# Altium PCB Bran_Main_Assay_PCB_v2.PcbDoc (part 2 of 15) (continued)
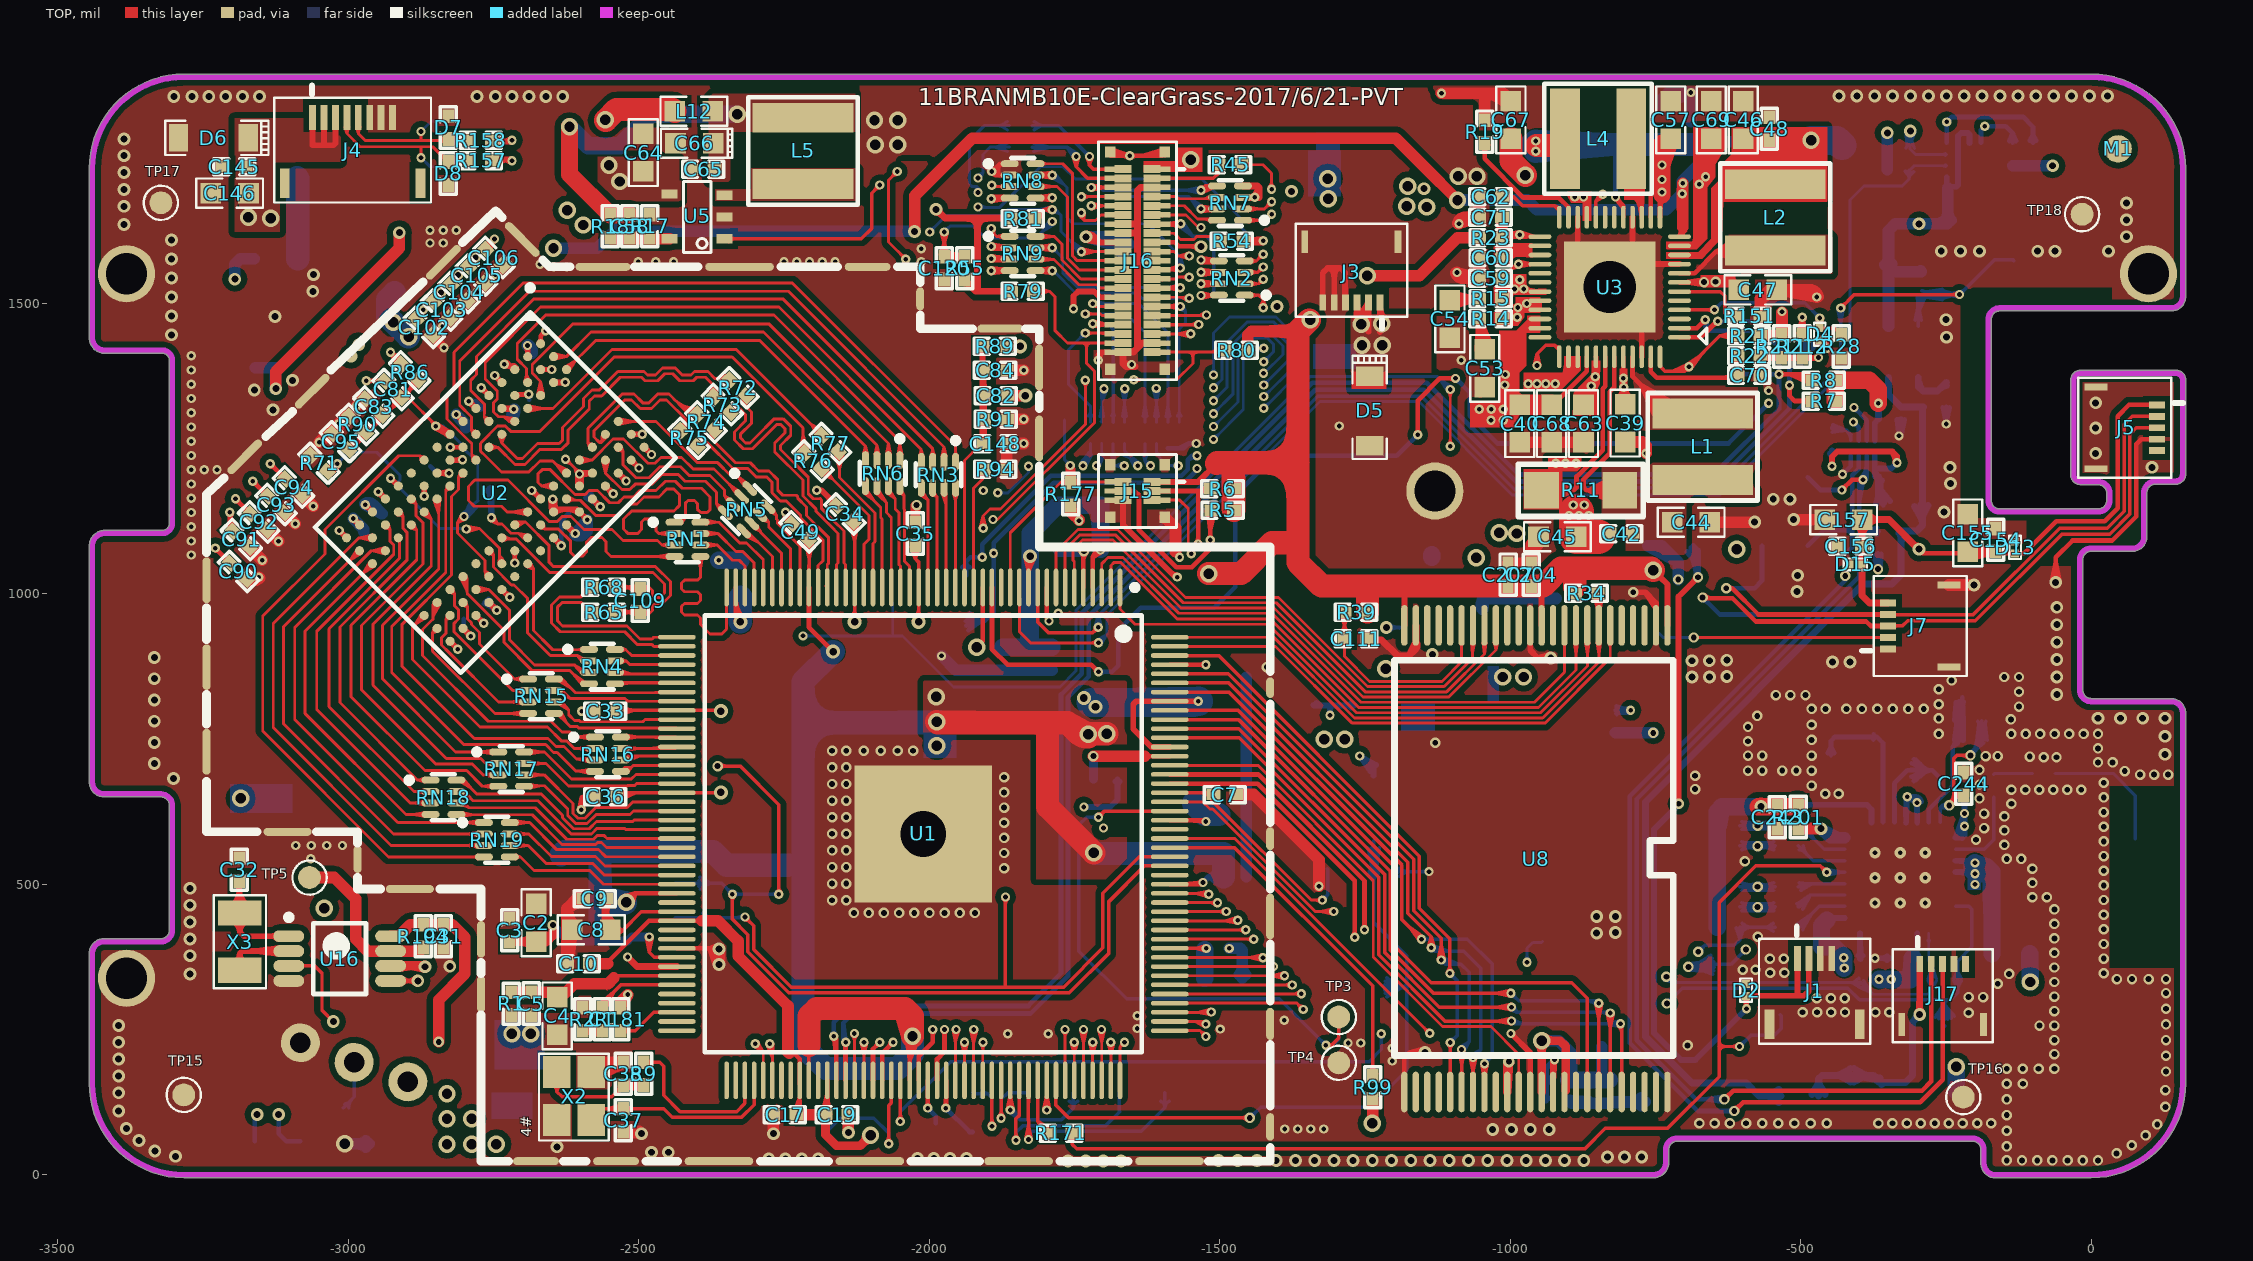
[diagram p0: TOP view]
## Nets (pads, with @x,y where several pads share a name; then routed paths per layer and width w, separated by ;. In a path a pad name is that pad's centre, name@x,y a point inside that pad or via, vN(x,y) a via of type N, cw(c..) or ccw(c..) an arc to the next point about the centre after c; other vN are vias at no path point) (continued)
BUTTON: D2.1 J1.1 J1.2 R22.2 R211.1 R212.1 TP31.1 | length 2605.7
  TOP w10: v2@-713.29,641.83 ccw(c-720.12,648.66) -710.46,648.66 ccw(c-700.81,648.66) v2@-707.64,641.83 ; v2(-710.46,639) -710.46,995.39 v2(-677.02,1028.83) -707.23,998.62 ; v2@-681.02,1028.83 cw(c-690.67,1028.83) -683.84,1022.01 cw(c-677.02,1015.18) v2@-677.02,1024.83 ; D2.1@-594,307.57 -594,286.54 v1(-593.46,286) ; D2.1@-594,308.31 -494.02,308.31 -486.22,316.1 J1.2@-486.22,368.11 ; D2.1@-593.46,304.57 -593.46,307.57 D2.1@-593.46,308.01 ; D2.1@-592.09,308.01 -557.55,308.31 ; R22.2@-569.32,1410.11 R22.2@-565.53,1406.32 ; R22.2@-563.93,1413.53 ccw(c-546.51,1430.96) -546.51,1406.32 ; -552.88,1407.15 R22.2@-567.36,1410.11 ; R211.1@-535.89,1402.89 ccw(c-544.16,1394.62) -544.16,1406.31 ccw(c-544.16,1418.01) R211.1@-535.89,1409.74 ; R211.1@-532.46,1408.28 R22.2@-567.36,1410.11 ; R211.1@-529.04,1402.89 cw(c-520.77,1394.62) -520.77,1406.31 cw(c-520.77,1418.01) R211.1@-529.04,1409.74 ; -505.91,310.2 J1.1@-505.91,368.11 ; -505.91,320.79 J1.1@-505.91,356.69 ; R212.1@-500.89,1402.89 ccw(c-509.16,1394.62) -509.16,1406.31 ccw(c-509.16,1418.01) R212.1@-500.89,1409.74 ; R212.1@-494.04,1402.89 cw(c-485.77,1394.62) -485.77,1406.31 cw(c-485.77,1418.01) R212.1@-494.04,1409.74 ; -486.22,320.79 J1.2@-486.22,356.69 ; -478.36,1406.31 ccw(c-478.36,1415.9) v1@-471.59,1409.12 ; v1@-470.15,1406.32 R212.1@-497.46,1406.32 ; v1(-469.46,1407) R212.1@-497.46,1406.32 ; R22.2@-567.36,1410.11 R211.1@-532.46,1406.32 ; R22.2@-565.53,1406.32 R211.1@-532.46,1406.32 ; R22.2@-565.53,1406.32 R211.1@-532.46,1406.32 ; R211.1@-532.46,1406.32 R212.1@-497.46,1406.32 ; R211.1@-532.46,1406.32 R212.1@-497.46,1406.32
  Singal w10: v2@-679.84,1031.66 ccw(c-686.67,1038.49) -677.02,1038.49 ccw(c-667.36,1038.49) v2@-674.19,1031.66 ; v2(-677.02,1028.83) -677.02,1155.45 -469.46,1363 v1(-469.46,1407) -469.46,1369
  BOTTOM w10: -718.71,628.76 ccw(c-728.95,639) v2@-714.46,639 ; v2@-709.46,638 -752.46,595 -752.46,244 -706.46,197.99 -681.47,197.99 v1(-593.46,286) -622.68,256.79 ; TP31.1@-695.37,1072.24 cw(c-738.93,1028.24) v2@-677.02,1028.24 ; TP31.1@-688.34,1079.35 cw(c-715.2,1052.21) -677.02,1052.21 ; -685.31,1059.2 v2(-677.02,1028.83) -677.02,1074.65 TP31.1@-685.04,1082.68 ; v2@-680.48,1030.83 ccw(c-688.39,1035.4) -679.57,1037.77 ; v2@-679.84,1031.66 ccw(c-686.67,1038.49) -677.02,1038.49 ccw(c-667.36,1038.49) v2@-674.19,1031.66 ; -679.76,1038.48 ccw(c-669.93,1041.12) v2@-675.02,1032.3
BUTTON_1: R212.2 U1.15 | length 2762.7
  TOP w8: -1892.32,954.65 U1.15@-1892.32,982.59 ; U1.15@-1892.32,1011.13 -1892.32,904.85 -1865.46,878 -1721.19,878 ; v1@-1713.02,865.83 ccw(c-1722.67,865.83) -1715.84,872.66 ccw(c-1709.02,879.48) v1@-1709.02,869.83 ; v1@-1162.29,1276.83 ccw(c-1169.12,1283.66) -1159.46,1283.66 ccw(c-1149.81,1283.66) v1@-1156.64,1276.83 ; v1(-1159.46,1274) -1159.46,1332.83 -1121.3,1370.99 ; v1@-1097.13,1368.16 ccw(c-1103.96,1361.34) -1103.96,1370.99 ccw(c-1103.96,1380.65) v1@-1097.13,1373.82 ; R212.2@-503.14,1449.03 -497.95,1458.11 ; R212.2@-502.99,1449.54 -496.98,1458.11 ; R212.2@-501.6,1451.78 ccw(c-511.57,1461.76) -497.46,1461.76 ccw(c-483.36,1461.76) R212.2@-493.33,1451.78 ; v1@-500.29,1473.17 cw(c-507.12,1466.34) -497.46,1466.34 cw(c-487.81,1466.34) v1@-494.64,1473.17 ; R212.2@-491.94,1449.54 -497.95,1458.11 ; R212.2@-491.79,1449.03 -496.98,1458.11 ; -1721.19,878 v1(-1709.02,865.83) -1721.19,878 ; -1121.3,1370.99 v1(-1094.3,1370.99) -1121.3,1370.99 ; -497.95,1458.11 R212.2@-497.46,1447.65 ; R212.2@-497.46,1447.65 v1(-497.46,1476) ; R212.2@-497.46,1447.65 -496.98,1458.11 ; R212.2@-497.46,1447.65 v1(-497.46,1476) ; v1(-497.46,1476) -491.65,1448.26 v1(-497.46,1476) ; v1(-497.46,1476) -503.28,1448.26 v1(-497.46,1476) ; v1(-497.46,1476) R212.2@-497.46,1445.69 v1(-497.46,1476)
  Singal w8: v1(-555.46,1328) -523.46,1328 -497.46,1354 v1(-497.46,1476) -497.46,1444 ; v1@-552.64,1325.17 cw(c-545.81,1318.34) -545.81,1328 cw(c-545.81,1337.66) v1@-552.64,1330.83 ; v1@-500.29,1473.17 cw(c-507.12,1466.34) -497.46,1466.34 cw(c-487.81,1466.34) v1@-494.64,1473.17
  BOTTOM w8: v1(-1709.02,865.83) -1685.64,865.83 -1674.78,876.69 -1674.78,937.69 -1636.46,976 -1509.46,976 -1473.54,1011.92 -1473.54,1169.99 -1405.53,1238 -1195.46,1238 v1(-1159.46,1274) -1184.44,1249.03 ; v1@-1706.19,863 cw(c-1699.36,856.17) -1699.36,865.83 cw(c-1699.36,875.48) v1@-1706.19,868.66 ; v1@-1163.46,1274 cw(c-1173.12,1274) -1166.29,1267.17 cw(c-1159.46,1260.34) v1@-1159.46,1270 ; v1@-1094.3,1366.99 cw(c-1094.3,1357.34) -1087.47,1364.16 cw(c-1080.64,1370.99) v1@-1090.3,1370.99 ; v1(-1094.3,1370.99) -1070.02,1346.71 -1070.02,1306.65 -1022.37,1259 -624.46,1259 v1(-555.46,1328) -580.44,1303.03 ; v1@-559.46,1328 cw(c-569.12,1328) -562.29,1321.17 cw(c-555.46,1314.34) v1@-555.46,1324
CAS: RN16.4 U2.K3 | length 925.6
  TOP w5: U2.K3@-2830.3,1184.83 cw(c-2837.79,1183.62) -2832.43,1178.26 ; U2.K3@-2829.64,1188.39 -2832.43,1178.26 ; U2.K3@-2825.86,1180.39 ccw(c-2827.07,1172.9) -2832.43,1178.26 ; U2.K3@-2822.3,1181.05 -2832.43,1178.26 ; -2594.51,694.92 cw(c-2594.51,685.07) RN16.4@-2587.54,692.04 ; -2592.53,694.92 ccw(c-2592.53,701.97) RN16.4@-2587.54,696.99 ; RN16.4@-2585.99,691.14 -2591.96,694.59 ; RN16.4@-2585.92,697.91 -2591.96,694.59 ; RN16.4@-2585.43,691.03 -2606.07,694.92 ; RN16.4@-2585.29,698 -2606.07,694.92 ; RN16.4@-2575.57,694.51 -2575.99,694.92 -2608.43,694.92 -2640.67,727.16 -2646.73,727.16 -2660.49,740.92 -2801.43,740.92 -2925.43,864.92 -2925.43,943.92 -2832.43,1036.92 -2832.43,1178.26 ; -2832.43,1178.26 U2.K3@-2825,1185.69 -2832.43,1178.26 ; -2606.07,694.92 -2585.07,694.51 -2591.96,694.59
CHGLED: U3.36
CKE: RN4.1 U2.K9 | length 471.5
  TOP w5: U2.K9@-2694.38,1047.61 -2681.43,1042.11 ; U2.K9@-2694.18,1047.47 -2684.89,1044.95 ; U2.K9@-2693.75,1047.24 -2684.26,1045.57 ; U2.K9@-2691.38,1046.69 cw(c-2691.38,1033.71) -2682.2,1042.89 cw(c-2673.03,1052.06) U2.K9@-2686,1052.06 ; U2.K9@-2686.92,1055.07 -2681.43,1042.11 ; U2.K9@-2686.79,1054.86 -2684.26,1045.57 ; U2.K9@-2686.55,1054.43 -2684.89,1044.95 ; -2604.89,903.92 ccw(c-2604.89,914.18) RN4.1@-2597.63,906.93 ; -2602.33,903.92 cw(c-2602.33,897.28) -2597.63,901.98 ccw(c-2602.32,897.31) -2602.32,903.92 ; RN4.1@-2598.15,906.27 cw(c-2602.32,908.8) -2602.32,903.92 ; RN4.1@-2598.05,902.48 ccw(c-2601.79,899.92) -2601.79,904.45 ; RN4.1@-2598.05,906.43 cw(c-2601.79,908.98) -2601.79,904.45 ; RN4.1@-2595.94,901.04 -2602.23,904.27 ; RN4.1@-2585.66,904.45 -2601.79,904.45 ; U2.K9@-2691.38,1052.06 -2684.26,1045.57 ; U2.K9@-2691.38,1052.06 -2684.89,1044.95 ; U2.K9@-2691.38,1052.06 -2681.43,1042.11 ; -2681.43,1042.11 -2681.43,937.05 -2669.41,925.03 -2663.76,919.39 -2648.29,903.92 -2602.32,903.92 ; -2602.32,903.92 RN4.1@-2595.16,904.45 ; -2602.32,903.92 -2596.26,907.77 -2602.32,903.92 ; -2602.32,903.92 -2595.76,901 -2602.32,903.92 ; -2602.32,903.92 RN4.1@-2595.16,904.45 ; -2602.32,903.92 -2601.79,904.45 ; -2602.23,904.27 RN4.1@-2595.16,904.45 ; -2602.23,904.27 RN4.1@-2596.11,907.82 ; -2601.79,904.45 RN4.1@-2595.16,904.45 ; -2601.79,904.45 RN4.1@-2596.08,907.83 ; -2601.79,904.45 -2596.08,901.08 -2601.79,904.45 ; -2601.79,904.45 RN4.1@-2595.16,904.45 ; -2601.79,904.45 RN4.1@-2596.08,907.83
CORE-VDD: C28.2 C29.2 C30.2 C49.1 C55.1 C56.1 C117.1 L4.2 TP9.1 U1.35 U1.73 U1.98 U1.109 U1.149 U3.17 | length 9369.3
  TOP w6: C49.1@-2213.89,1090.76 -2206.82,1060.69 ; C49.1@-2211.94,1086.74 cw(c-2224.29,1074.39) -2206.82,1074.39 ; U1.98@-2207.28,162.71 -2207.28,223.31 ; U1.98@-2207.28,191.26 -2207.28,213.19 ; U1.35@-2207.28,1011.13 -2206.82,1011.59 C49.1@-2206.82,1091.3 ; U1.35@-2207.28,1039.68 -2206.82,1061.61 ; C49.1@-2207.1,1091.58 -2206.82,1060.69 ; -2206.82,1075.73 cw(c-2191.25,1075.73) C49.1@-2202.26,1086.74 ; C49.1@-2200.29,1090.88 -2206.82,1060.69
  TOP w8: v4@-2520.26,480.1 ccw(c-2517.84,495.78) -2506.62,484.56 ; v4@-2511.08,470.92 cw(c-2495.4,473.35) -2506.62,484.56 ; -2491.12,484.56 U1.73@-2463.18,484.56 ; U1.73@-2434.64,484.56 -2506.62,484.56 ; -2207.28,954.65 U1.35@-2207.28,982.59 ; U1.35@-2207.28,1011.13 -2207.28,942.46 v5(-2165.65,900.83) ; v4@-2039.99,237.52 -2032.56,210.92 ; v4@-2040.01,238.18 -2034.05,198.52 ; v4@-2036.79,230.53 cw(c-2043.42,223.9) -2034.05,223.9 ; U1.109@-2034.05,162.71 -2034.05,233.27 v4(-2029.02,238.31) ; U1.109@-2034.05,191.26 -2034.05,219.19 ; -2034.05,199.6 cw(c-1990.31,199.6) v4@-2021.24,230.53 ; -2034.05,218.91 cw(c-2009.62,218.91) v4@-2026.89,236.19 ; v4@-2018.61,234.75 -2032.56,210.92 ; v4@-2018.4,235.44 -2034.05,198.52 ; U1.149@-1586.22,500.31 -1532.01,500.31 -1557.67,500.31 v1(-1529.02,503.31) ; U1.149@-1561.64,500.31 v1(-1529.02,503.31) ; -1545.9,500.31 ccw(c-1545.9,520.2) v1@-1531.84,506.14 ; -1540.76,500.99 v1(-1529.02,503.31) ; v1@-815.02,1683.31 ccw(c-801.48,1683.31) -811.05,1673.74 ; -808.08,1670.76 cw(c-814.7,1664.13) U3.17@-805.33,1664.13 ; -806.59,1668.82 U3.17@-805.39,1664.13 ; U3.17@-805.39,1648.39 -805.39,1668.08 ; v4@-2527.5,478.73 -2506.62,484.56 ; v4@-2527.5,478.73 -2506.62,484.56 ; v4@-2527.5,478.73 -2506.62,484.56 ; v4@-2527.45,478.76 -2506.95,484.24 ; v4@-2527.45,478.76 -2506.95,484.24 ; v4@-2527.44,478.76 -2506.94,484.23 ; v4@-2527.44,478.76 -2506.94,484.23 ; v4(-2521.95,469.23) -2506.95,484.24 ; v4(-2521.95,469.23) -2506.62,484.56 ; v4(-2521.95,469.23) -2506.95,484.24 ; v4(-2521.95,469.23) -2506.94,484.23 ; v4(-2521.95,469.23) -2506.62,484.56 ; v4(-2521.95,469.23) -2506.94,484.23 ; v4(-2521.95,469.23) -2506.62,484.56 ; v4@-2512.45,463.68 -2506.62,484.56 ; v4@-2512.45,463.68 -2506.62,484.56 ; v4@-2512.45,463.68 -2506.62,484.56 ; -2506.95,484.24 -2512.42,463.74 -2506.95,484.24 ; -2506.94,484.23 -2512.42,463.73 -2506.94,484.23 ; -2034.05,198.52 v4(-2029.02,238.31) ; -2032.56,210.92 v4(-2029.02,238.31) ; v1@-819.02,1681.7 U3.17@-805.39,1664.13 ; v1@-819.02,1681.7 -805.39,1668.08 ; v1@-819.02,1681.7 v1(-819.02,1683.31) U3.17@-805.39,1664.13 ; U3.17@-805.39,1664.13 -805.39,1668.08 ; U3.17@-805.39,1664.13 -805.39,1668.08
  TOP w40: -2207.28,223.31 -2207.28,273.04 -2194.02,286.31 -2042.02,286.31 ; -1852.21,778.31 v4(-1987.3,779.99) -1985.61,778.31 -1762.45,778.31 ; -1796.52,775.81 -1796.52,633.8 ; -1745.97,761.82 ccw(c-1726.45,781.34) v4@-1726.45,753.74 ; -955.02,1771.74 -917.67,1771.74 L4.2@-906.1,1783.31 ; -2042.02,286.31 v4(-2029.02,238.31) ; -2042.02,286.31 -2029.02,273.31 ; v4(-2029.02,238.31) -2029.02,273.31 ; v4(-2029.02,238.31) -2029.02,273.31 ; -1796.52,633.8 v4(-1716.95,554.23) -1796.52,633.8 ; -1762.45,778.31 v4(-1726.45,758.74) ; -1762.45,778.31 -1743.37,759.23 ; -1743.37,759.23 -1726.45,759.23 v4(-1694.45,759.23) ; -1743.37,759.23 v4(-1726.45,758.74) ; -1743.37,759.23 v4(-1726.45,758.74) ; -1743.37,759.23 v4(-1726.45,758.74) ; -1743.37,759.23 v4(-1694.45,759.23) ; v4(-1726.45,758.74) v4(-1694.45,759.23) ; v4(-1726.45,758.74) v4(-1694.45,759.23)
  POWER w40: v4@-1696.86,754.85 ccw(c-1684.38,777.55) -1666.06,759.23 ; v4@-1694.45,754.23 ccw(c-1694.45,810.7) -1654.52,770.77 ; -1666.21,761.8 v4(-1694.45,759.23) ; v4@-1174.41,1670.53 cw(c-1235.71,1609.22) -1149.02,1609.22 ; v4@-1168.52,1666.22 ccw(c-1149.55,1694.49) v4@-1142.98,1661.09 ; -1160.56,1662.27 v4(-1143.94,1665.99) ; -1149.02,1530.13 v4(-1143.94,1665.99) ; v4@-1149.02,1664.17 -1149.02,1338.31 -1259.02,1228.31 -1259.02,1038.31 -1361.32,936 -1551.32,936 -1579.02,908.31 -1579.02,846.28 ; v4(-1726.45,758.74) v4(-1694.45,759.23) ; v4(-1726.45,758.74) v4(-1694.45,759.23) ; v4(-1726.45,758.74) -1666.06,759.23 ; v4(-1726.45,758.74) v4(-1694.45,759.23) ; v4(-1726.45,758.74) v4(-1694.45,759.23) ; v4(-1726.45,758.74) v4(-1694.45,759.23) ; v4(-1726.45,758.74) v4(-1694.45,759.23) ; v4(-1726.45,758.74) v4(-1694.45,759.23) ; v4(-1726.45,758.74) -1666.06,759.23 ; v4(-1726.45,758.74) v4(-1694.45,759.23) ; v4(-1726.45,758.74) v4@-1725.96,759.23 ; v4@-1725.96,759.23 v4(-1694.45,759.23) ; v4@-1725.96,759.23 v4(-1694.45,759.23) ; v4@-1725.96,759.23 v4(-1694.45,759.23) ; v4(-1694.45,759.23) -1666.06,759.23 ; v4(-1694.45,759.23) -1579.02,846.28 ; v4(-1694.45,759.23) -1666.06,759.23 ; -1666.06,759.23 -1579.02,846.28 ; v4@-1176.98,1671.9 cw(c-1183.63,1637.93) -1149.02,1637.93 v4(-1143.94,1665.99) ; v4@-1176.98,1671.9 v3(-1148.38,1697.51) v4(-1143.94,1665.99) ; v4@-1176.98,1671.9 v4(-1143.94,1665.99)
  BOTTOM w8: v1@-821.84,1686.14 ccw(c-828.67,1692.96) -819.02,1692.96 ccw(c-809.36,1692.96) v1@-816.19,1686.14 ; v1(-819.02,1683.31) -819.02,1768.19
  BOTTOM w10: v1(-1529.02,503.31) -1519.02,513.31 ; C28.2@-1499.09,509.88 ccw(c-1507.36,501.62) -1507.36,513.31 ccw(c-1507.36,525) C28.2@-1499.09,516.73 ; C28.2@-1495.67,513.31 -1519.02,513.31 ; C28.2@-1493.7,513.31 -1519.02,513.31
  BOTTOM w20: -2207.65,223.31 -2207.65,316.83
  BOTTOM w40: TP9.1@-2633.86,551.18 -2628.21,556.83 -2567.46,556.83 ; C29.2@-2564.29,478.99 -2522.87,468.31 -2566.26,468.31 -2566.96,468.31 ; v5@-2165.74,900.63 -2217.65,848.73 ; v5(-2165.65,900.83) -2217.65,848.73 ; -2122.37,778.31 v4(-1987.3,779.99) -1985.7,779.99 -1984.02,778.31 -1987.3,778.31 -2217.65,778.31 ; v4@-1715.65,553.31 C30.2@-1493.7,553.31 ; -1625.51,553.31 C30.2@-1495.67,553.31 ; -827.32,1773.62 v1(-956.45,1779.74) ; -818.86,1773.62 C56.1@-689.02,1773.62 -739.02,1773.62 -956.45,1773.62 -963.46,1773.62 v1(-956.45,1761.74) ; -2567.46,556.83 -2372.65,556.83 -2348.9,533.08 -2243.99,533.08 -2243.77,533.31 -2217.65,533.31 ; -2567.46,556.83 -2566.96,556.32 ; -2566.96,468.31 -2566.96,478.99 -2566.96,556.32 ; -2566.96,468.31 C29.2@-2566.26,478.99 ; -2566.96,468.31 C29.2@-2566.26,478.99 ; -2566.96,468.31 C29.2@-2566.26,478.99 ; -2566.96,468.31 C117.1@-2566.96,437.83 C29.2@-2566.26,478.99 ; -2566.96,556.32 C29.2@-2566.26,478.99 ; -2217.65,533.31 -2217.65,221.94 -2179.02,183.31 -2054.02,183.31 -2029.02,208.31 ; -2217.65,533.31 -2217.65,778.31 ; -2217.65,778.31 -2217.65,848.73 ; -2029.02,208.31 v4(-2029.02,238.31) ; -2029.02,208.31 v4(-2029.02,238.31) ; -2029.02,208.31 v4(-2029.02,238.31) ; C30.2@-1493.7,553.31 C28.2@-1493.7,513.31 C30.2@-1493.7,553.31 ; v1(-956.45,1761.74) v1(-956.45,1779.74) ; v1(-956.45,1761.74) v1(-956.45,1779.74) ; v1(-956.45,1761.74) -822.42,1773.62 v1(-956.45,1779.74)
  other v4: -1987.3,738.99 -1988.3,822.99 -1177.94,1666.99 -1176.94,1701.99
CPU-VDD: C20.2 C21.2 C22.2 C23.2 C24.2 C25.2 C26.2 C27.2 C46.1 C48.1 L2.2 TP8.1 U1.4 U1.9 U1.11 U1.16 U1.156 U1.164 U1.169 U1.173 U3.10 | length 6466.4
  TOP w8: -1908.07,918.62 U1.16@-1908.07,1011.13 ; -1908.07,954.65 U1.16@-1908.07,982.59 ; v5@-1834.58,1063.83 -1828.36,1046.41 ; v5@-1832.3,1059.17 cw(c-1839.48,1051.99) -1829.33,1051.99 ; U1.11@-1829.33,1011.13 v5@-1829.33,1064.83 ; U1.11@-1829.33,1039.04 cw(c-1800.86,1039.04) v5@-1820.99,1059.17 ; v5@-1825.51,1053.27 U1.11@-1829.33,1039.68 ; v5@-1819.03,1062.38 -1828.36,1046.41 ; U1.9@-1797.83,982.59 v1@-1797.83,957.12 ; U1.9@-1797.83,1011.13 v1@-1797.83,957.12 ; v1(-1794.02,953.31) v1@-1797.83,957.12 ; U1.4@-1719.09,1011.13 -1719.09,1063.1 ; U1.4@-1719.09,1039.68 -1719.09,1063.1 ; v2@-1710.45,1076.74 cw(c-1722.52,1076.74) -1713.98,1068.2 cw(c-1705.45,1059.67) v2@-1705.45,1071.74 ; v2@-1709.41,1079.79 -1719.09,1063.1 ; v2@-1702.4,1072.78 -1719.09,1063.1 ; U1.156@-1586.22,610.54 v1@-1526.25,610.54 ; U1.173@-1586.22,878.26 v1@-1524.06,878.26 ; U1.156@-1557.67,610.54 v1@-1529.74,610.54 ; U1.173@-1557.67,878.26 v1@-1529.74,878.26 ; U1.156@-1556.58,610.54 v1(-1524.02,608.31) ; U1.156@-1556.34,610.54 v1(-1524.02,608.31) ; -1539.07,610.54 cw(c-1539.07,593.26) v1@-1526.84,605.48 ; -1534.59,609.95 v1(-1524.02,608.31) ; -1533.78,878.26 ccw(c-1533.78,888.07) v1@-1526.84,881.14 ; -1533.56,878.26 cw(c-1533.56,868.76) v1@-1526.84,875.48 ; U3.10@-708.94,1583.43 -673.9,1583.43 ; U3.10@-693.19,1583.43 -673.9,1583.43 ; L2.2@-625.09,1697.38 ccw(c-636.93,1692.64) -636.93,1705.39 ; L2.2@-625.09,1713.41 cw(c-636.93,1718.15) -636.93,1705.39 ; L2.2@-612.35,1685.08 -636.93,1705.39 ; L2.2@-612.35,1725.71 -636.93,1705.39 ; L2.2@-607.94,1692.12 -636.93,1705.39 ; L2.2@-607.94,1718.67 -636.93,1705.39 ; L2.2@-605.53,1699.82 -636.93,1705.39 ; L2.2@-605.53,1710.96 -636.93,1705.39 ; L2.2@-605.04,1705.39 -636.93,1705.39 ; L2.2@-544.02,1705.39 -636.93,1705.39 ; U1.11@-1829.33,1039.68 v5(-1826.65,1064.83) ; U1.11@-1829.33,1039.68 -1834.63,1064.41 U1.11@-1829.33,1039.68 ; U1.11@-1829.33,1039.68 -1818.93,1062.73 U1.11@-1829.33,1039.68 ; U1.11@-1829.33,1039.68 v5(-1826.65,1064.83) ; U1.11@-1829.33,1039.68 v5@-1829.33,1064.83 ; v5@-1829.33,1064.83 v5(-1826.65,1064.83) ; -1828.36,1046.41 v5(-1826.65,1064.83) ; -1719.09,1063.1 v2(-1705.45,1076.74) -1719.09,1063.1 ; -673.9,1583.43 -644.02,1613.31 -644.02,1698.31 -636.93,1705.39 ; U1.173@-1556.02,878.26 v1(-1524.02,878.31) U1.173@-1556.02,878.26
  TOP w10: U1.169@-1614.76,815.27 -1644.02,815.27 ; U1.164@-1586.22,736.53 -1617.9,736.53 -1649.02,767.65 -1649.02,810.27 -1644.02,815.27 ; U1.169@-1575.05,815.27 v1(-1537.05,815.27) ; -1644.02,815.27 U1.169@-1586.22,815.27 v1(-1537.05,815.27) ; v1(-1537.05,815.27) -1557.67,815.27 v1(-1537.05,815.27)
  TOP w40: C48.1@-554.02,1779.17 L2.2@-544.02,1705.39 -544.02,1781.14 ; v4@-482.76,1781.14 -544.02,1781.14 ; v4(-482.45,1780.83) -544.02,1781.14 ; C48.1@-554.02,1781.14 -596.83,1781.14 C48.1@-554.02,1781.14 ; C48.1@-554.02,1781.14 -544.02,1781.14 ; C48.1@-554.02,1781.14 -544.02,1781.14
  POWER w50: v4(-1918.7,907.99) -1854.33,907.99 -1825.65,936.68 ; -647.45,1780.83 v4(-482.45,1780.83) -870.29,1780.83 -906.2,1816.74 -1183.55,1816.74 -1235.44,1764.85 -1235.44,1643.03 -1300.46,1578 -1300.46,1343.72 -1473.88,1170.31 -1785.91,1170.31 -1825.65,1130.57 ; -1825.65,936.68 -1825.65,953.31 -1825.65,1064.83 -1825.65,1130.57 ; -1825.65,936.68 v5(-1826.65,1064.83) -1825.65,1130.57 ; -1825.65,936.68 -1825.65,859.94 -1778.54,812.83 ; -1778.54,812.83 -1734.02,812.83 -1715.65,812.83 v5(-1734.02,820.83) -1778.54,812.83
  BOTTOM w30: C21.2@-1829.02,909.96 -1826.65,1010.05 ; -1826.65,962.83 v5(-1826.65,1064.83) ; C21.2@-1829.02,907.99 C23.2@-1874.02,907.99 C21.2@-1829.02,907.99 ; C21.2@-1829.02,907.99 C22.2@-1789.02,907.99 C21.2@-1829.02,907.99 ; C21.2@-1829.02,907.99 -1826.65,910.36 v5(-1826.65,1064.83) ; v5(-1826.65,1064.83) -1826.65,1104.83 -1778.65,1152.83 -1706.52,1152.83 -1705.02,1152.83 ; C20.2@-1706.52,1133.31 -1705.02,1152.83 ; C20.2@-1706.52,1133.31 -1705.02,1076.74 -1705.02,1133.31 -1705.02,1152.83 ; C20.2@-1706.52,1133.31 -1705.02,1152.83
  BOTTOM w40: -1545.5,639.79 -1526.02,620.31 -1524.02,620.31 C24.2@-1502.02,620.31
  BOTTOM w50: v5@-1721.63,813.31 -1714.02,813.31 -1545.98,813.31 ; -1695.27,813.31 v1(-1537.05,815.27) ; v4(-482.45,1780.83) -438.31,1780.83 TP8.1@-429.13,1771.65 ; -1545.98,813.31 v1(-1537.05,815.27) ; -1545.98,813.31 v1(-1537.05,815.27) ; -1545.98,813.31 v1(-1537.05,815.27) ; -1545.98,813.31 -1545.98,812.83 v1(-1537.05,815.27) ; -1545.98,813.31 -1545.5,813.31 v1(-1537.05,815.27)
  other v5: -1714.02,805.83
D+: D7.1 J4.5 R158.1 TP53.1 | length 1003.3
  TOP w5: J4.5@-2986.36,1803.84 -2982.99,1792.43 ; J4.5@-2986.3,1803.53 -2983.27,1798.24 ; J4.5@-2986.22,1803.23 -2982.71,1798.24 ; J4.5@-2985.4,1801.92 cw(c-2991.21,1796.11) -2982.99,1796.11 cw(c-2974.77,1796.11) J4.5@-2980.58,1801.92 ; J4.5@-2982.99,1820.08 -2982.99,1792.43 ; J4.5@-2979.77,1803.23 -2983.27,1798.24 ; J4.5@-2979.68,1803.53 -2982.71,1798.24 ; J4.5@-2979.62,1803.84 -2982.99,1792.43 ; v1(-2874.94,1795.99) -2874.94,1780.74 ; -2847.01,1780.74 ccw(c-2847.01,1799.65) D7.1@-2833.64,1786.28 ; -2845.34,1780.74 cw(c-2845.34,1764.2) D7.1@-2833.64,1775.89 ; D7.1@-2831.08,1787.94 -2841.06,1780.18 ; D7.1@-2830.57,1774.06 -2842.12,1781.38 ; D7.1@-2830.27,1788.2 -2842.12,1781.38 ; D7.1@-2830.07,1773.93 -2841.06,1780.18 ; D7.1@-2828.82,1773.75 -2804.01,1776.17 ; D7.1@-2826.83,1773.93 -2815.84,1780.18 ; D7.1@-2826.79,1790.21 R158.1@-2802.26,1780.74 ; D7.1@-2826.71,1790.19 R158.1@-2803.46,1780.74 ; D7.1@-2826.63,1788.2 -2814.78,1781.38 ; D7.1@-2826.32,1774.06 -2814.78,1781.38 ; D7.1@-2825.96,1787.99 -2804.01,1776.17 ; D7.1@-2825.82,1787.94 -2815.84,1780.18 ; D7.1@-2823.26,1775.89 cw(c-2811.56,1764.2) -2811.56,1780.74 ; D7.1@-2823.26,1786.28 ccw(c-2809.89,1799.65) -2809.89,1780.74 ; R158.1@-2799.29,1775.55 ccw(c-2811.83,1763.01) -2811.83,1780.74 ccw(c-2811.83,1798.47) R158.1@-2799.29,1785.93 ; R158.1@-2796.47,1773.79 -2807.24,1781.34 ; R158.1@-2796.47,1787.69 -2807.24,1780.14 ; R158.1@-2795.83,1773.6 -2807.24,1780.14 ; R158.1@-2795.83,1787.88 -2807.24,1781.34 ; R158.1@-2795.19,1773.48 D7.1@-2818.94,1780.74 ; R158.1@-2795.19,1788 D7.1@-2818.94,1780.74 ; R158.1@-2792.13,1780.74 -2828.45,1780.74 -2874.94,1780.74 ; -2983.27,1798.24 J4.5@-2982.99,1804.33 ; -2982.99,1792.43 J4.5@-2982.99,1804.33 ; -2982.99,1792.43 -2971.31,1780.74 -2874.94,1780.74 ; J4.5@-2982.99,1804.33 -2982.71,1798.24 ; -2842.12,1781.38 D7.1@-2828.45,1781.09 ; -2841.06,1780.18 D7.1@-2828.45,1781.09 ; D7.1@-2828.45,1781.09 -2804.01,1776.17 ; D7.1@-2828.45,1781.09 -2814.78,1781.38 ; D7.1@-2828.45,1781.09 -2815.84,1780.18 ; D7.1@-2818.94,1780.74 R158.1@-2794.1,1780.74 ; -2807.24,1780.14 R158.1@-2794.1,1780.74 ; -2807.24,1781.34 R158.1@-2794.1,1780.74 ; R158.1@-2803.46,1780.74 D7.1@-2828.45,1783.06 R158.1@-2802.26,1780.74 ; R158.1@-2803.46,1780.74 -2828.05,1775.72 R158.1@-2802.26,1780.74
  BOTTOM w5: v1(-2874.94,1795.99) -2856.87,1814.06 TP53.1@-2826.77,1814.06
D-: D8.1 J4.4 R157.1 TP52.1 | length 921
  TOP w5: J4.4@-3006.05,1803.84 -3002.68,1792.43 ; J4.4@-3005.99,1803.53 -3002.96,1798.24 ; J4.4@-3005.9,1803.23 -3002.4,1798.24 ; J4.4@-3005.09,1801.92 cw(c-3010.9,1796.11) -3002.68,1796.11 cw(c-2994.46,1796.11) J4.4@-3000.27,1801.92 ; J4.4@-3002.68,1820.08 -3002.68,1792.43 ; J4.4@-2999.45,1803.23 -3002.96,1798.24 ; J4.4@-2999.37,1803.53 -3002.4,1798.24 ; J4.4@-2999.31,1803.84 -3002.68,1792.43 ; v1(-2874.94,1750.99) -2874.94,1769.74 ; -2844.34,1759.32 ccw(c-2828.45,1775.21) D8.1@-2828.45,1752.74 ; -2839.59,1754.57 cw(c-2848.77,1745.39) D8.1@-2835.79,1745.39 ; D8.1@-2828.76,1752.73 R157.1@-2802.5,1750.17 ; D8.1@-2828.45,1745.39 R157.1@-2802.5,1750.17 ; D8.1@-2827.8,1750.74 R157.1@-2803.33,1744.88 ; D8.1@-2827.36,1736.16 -2803.61,1743.43 D8.1@-2827.36,1750.69 ; D8.1@-2826.96,1736.24 R157.1@-2803.33,1744.88 ; D8.1@-2826.73,1736.29 -2815.31,1742.82 ; D8.1@-2826.73,1750.56 -2815.31,1744.03 ; D8.1@-2826.13,1738.43 R157.1@-2802.5,1750.17 ; D8.1@-2826.08,1736.48 -2815.31,1744.03 ; D8.1@-2826.08,1750.37 -2815.31,1742.82 ; D8.1@-2823.26,1738.23 cw(c-2810.72,1725.7) -2810.72,1743.43 cw(c-2810.72,1761.15) D8.1@-2823.26,1748.62 ; -2817.42,1743.43 ccw(c-2817.42,1769.06) R157.1@-2799.29,1750.93 ; -2806.24,1743.43 cw(c-2806.24,1733.6) R157.1@-2799.29,1740.55 ; -2805.35,1743.43 ccw(c-2805.35,1756.98) R157.1@-2795.76,1747.4 ; R157.1@-2796.32,1752.74 -2810.78,1744.3 ; R157.1@-2795.84,1752.87 D8.1@-2819.07,1743.43 ; R157.1@-2795.09,1738.46 -2810.78,1744.3 ; R157.1@-2794.5,1738.41 D8.1@-2819.07,1743.43 ; R157.1@-2792.13,1745.74 -2794.45,1743.43 D8.1@-2828.45,1743.43 ; -3002.96,1798.24 J4.4@-3002.68,1804.33 ; -3002.68,1792.43 J4.4@-3002.68,1804.33 ; -3002.68,1792.43 -2979.99,1769.74 -2874.94,1769.74 ; J4.4@-3002.68,1804.33 -3002.4,1798.24 ; -2874.94,1769.74 -2854.76,1769.74 D8.1@-2828.45,1743.43 ; D8.1@-2828.45,1743.43 R157.1@-2803.33,1744.88 ; D8.1@-2828.45,1743.43 -2815.31,1744.03 ; D8.1@-2828.45,1743.43 -2815.31,1742.82 ; D8.1@-2819.07,1743.43 -2794.1,1745.74 -2810.78,1744.3
  BOTTOM w5: v1(-2874.94,1750.99) -2859.28,1735.32 TP52.1@-2826.77,1735.32